# KiCad board MasterController.kicad_pcb
title: Zynq-Based Master Controller; date: 2020-08-31; rev: 0.1; company: JFH & SRM
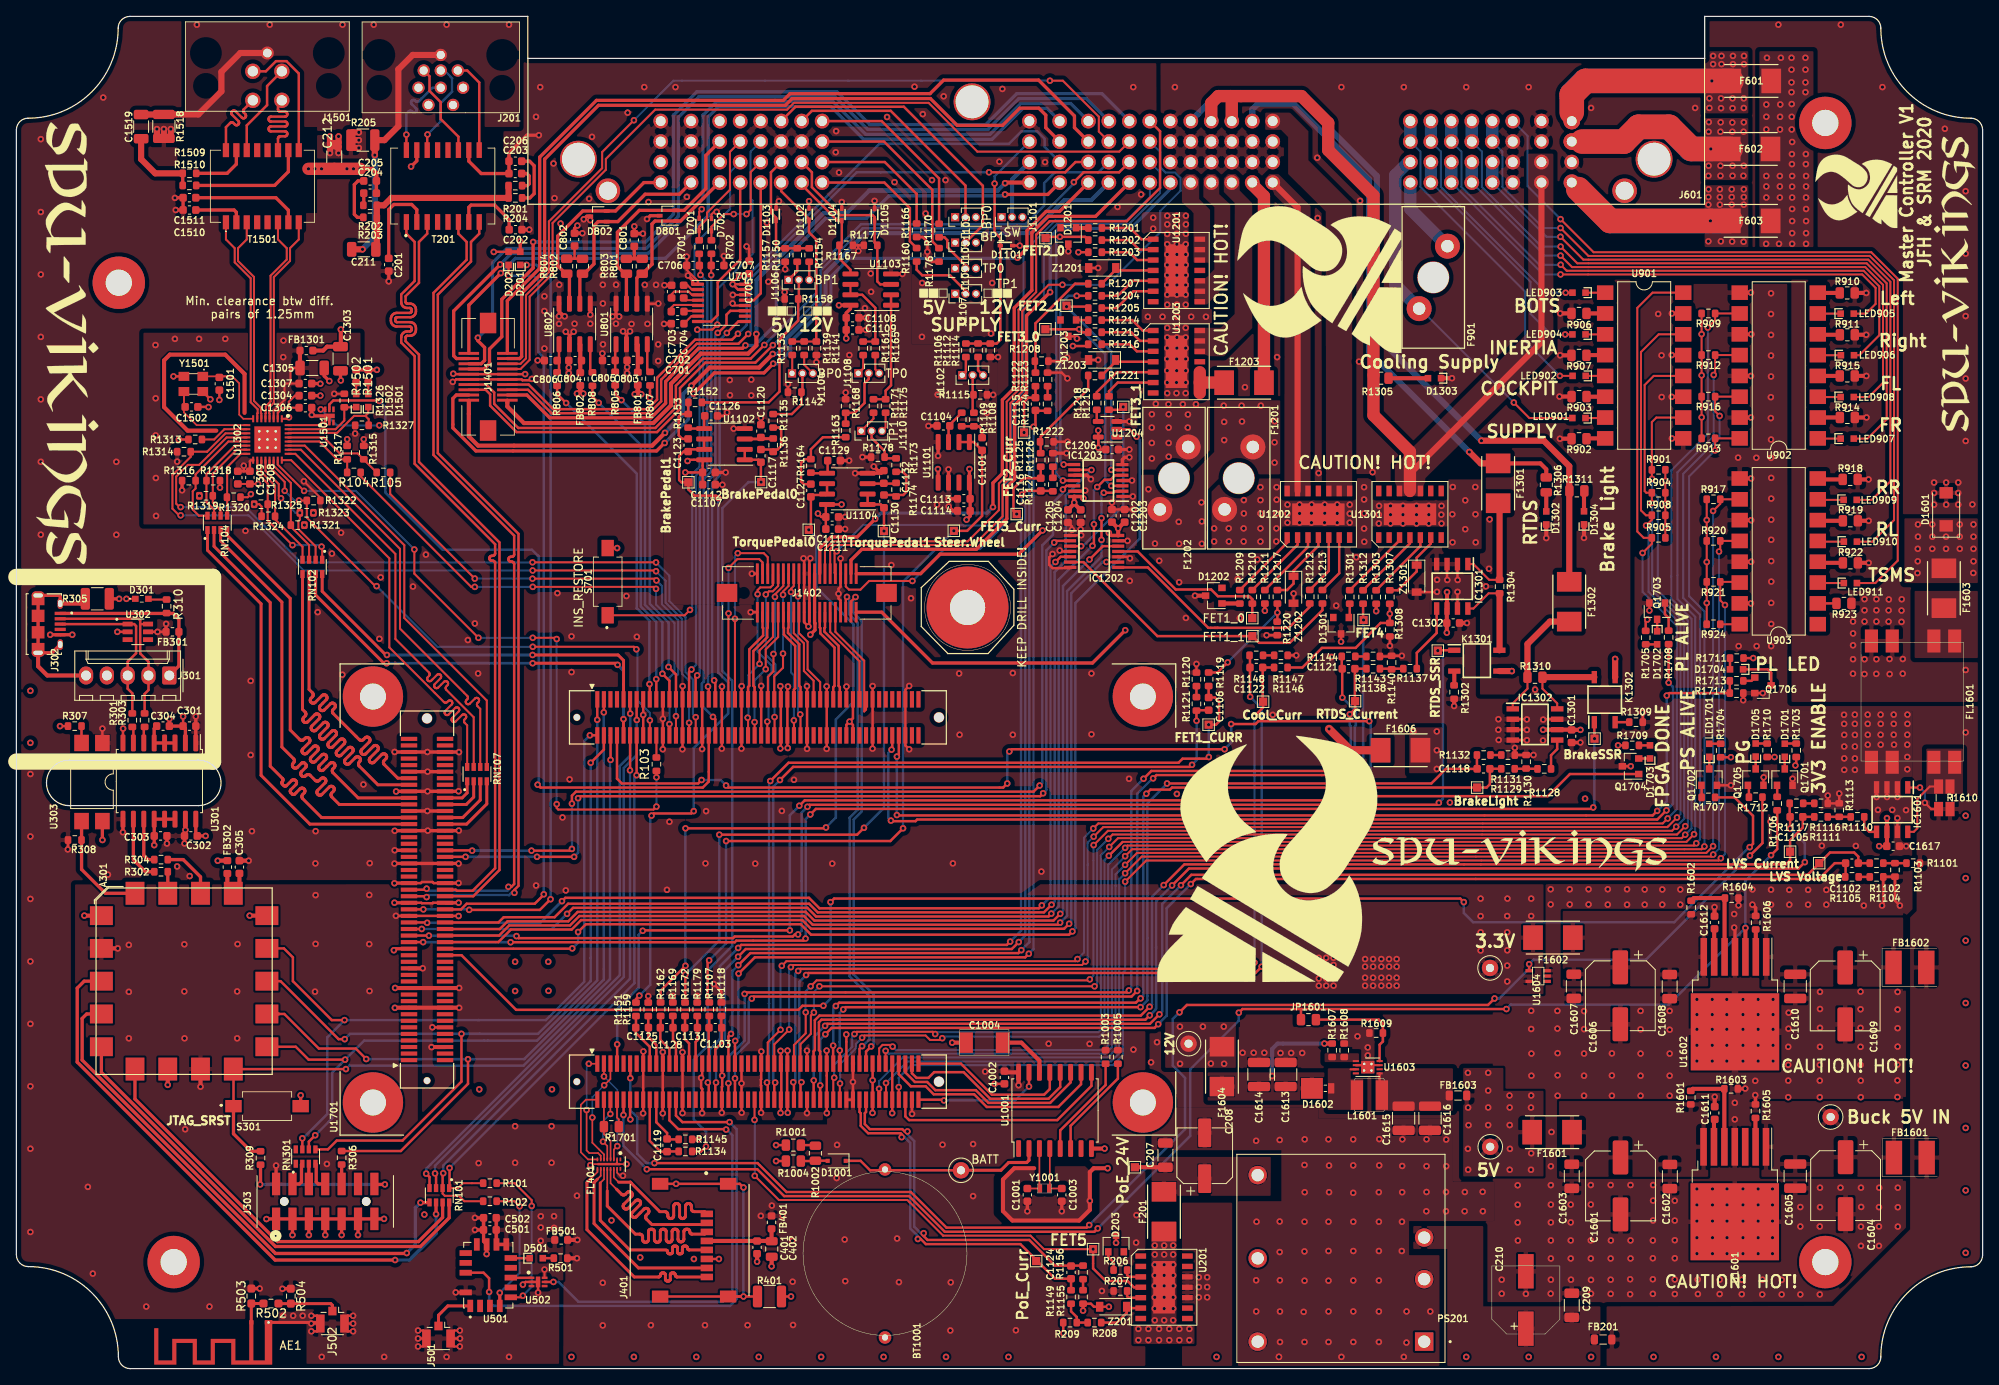
[diagram p0: board, top side]
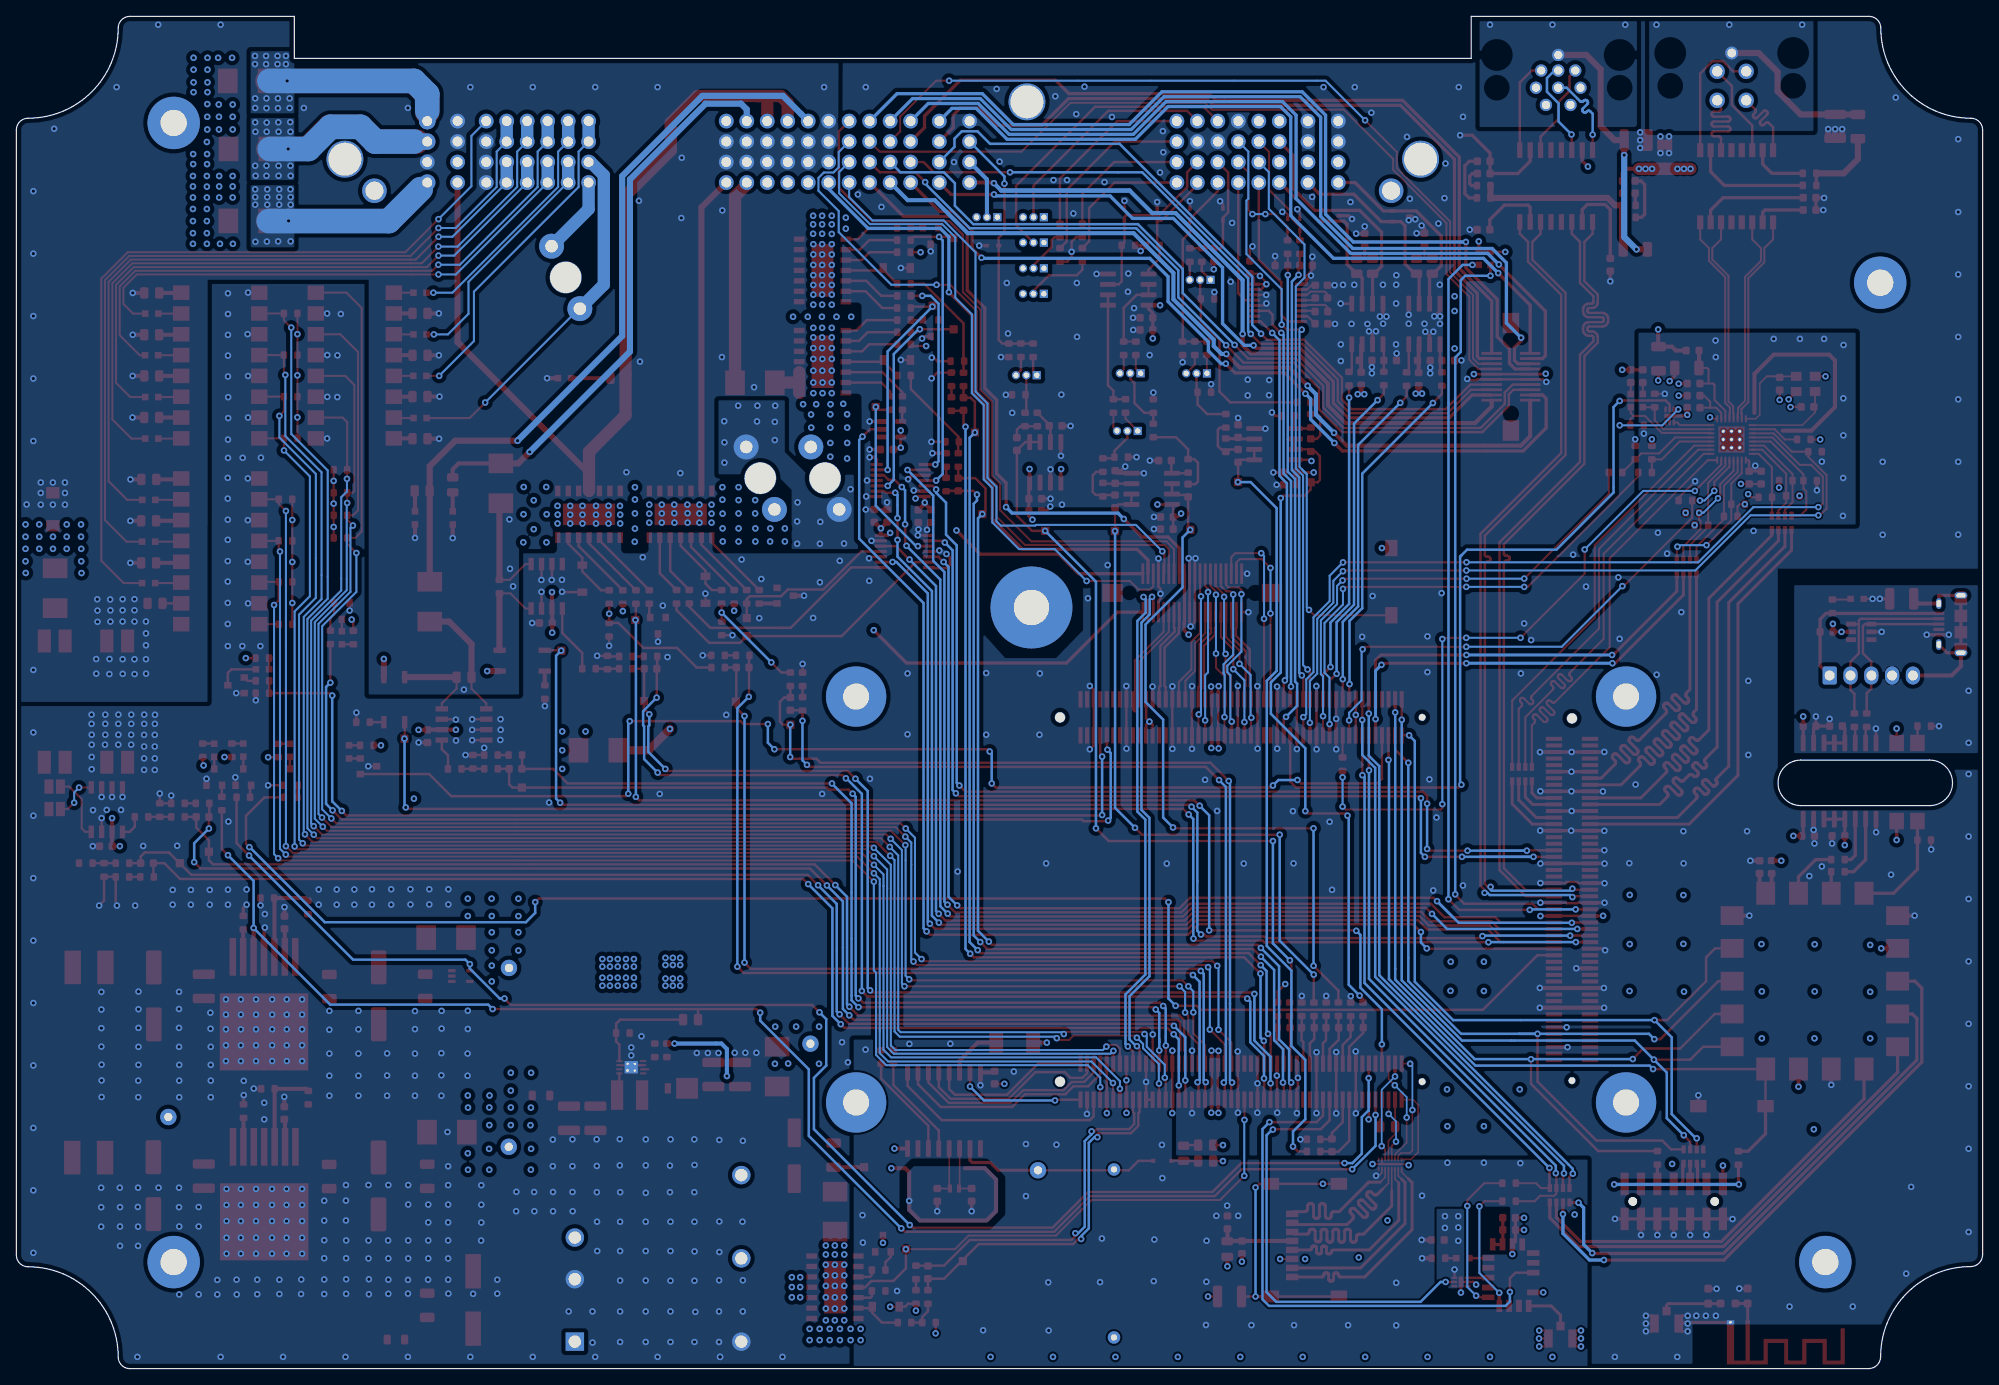
[diagram p1: board, bottom side, seen from below]

Outline 240 x 165 mm; copper layers: Top, In1.Cu (plane), In2.Cu (plane), Bottom. Coordinates in mm from the lower left corner of the outline.
Outline path: 0,151.15 0,13.9 arc(0.42,12.87) 1.45,12.45 arc(9.23,9.23) 12.45,1.45 arc(12.87,0.42) 13.9,0 226.15,0 arc(227.16,0.42) 227.57,1.43 arc(230.8,9.2) 238.57,12.43 arc(239.58,12.84) 240,13.85 240,151.15 arc(239.58,152.16) 238.57,152.57 arc(230.8,155.8) 227.57,163.57 arc(227.16,164.58) 226.15,165 206.07,165 206.07,159.88 62.42,159.88 62.42,165 13.85,165 arc(12.84,164.58) 12.42,163.57 arc(9.2,155.8) 1.43,152.57 arc(0.42,152.16) 0,151.15 ; 6.45,68.7 arc(3.68,71.47) 6.45,74.25 22.2,74.25 arc(24.98,71.47) 22.2,68.7 6.45,68.7

## Placement (name value [footprint] x y rotation side)
A301  -  [JTAG-SMT3-NC]  20.48 47.28 270 top
AE1  Antenna_Shield  [Texas_SWRA117D_2.4GHz_Right]  28.67 5.64 180 top
BT1001  Battery_Cell  [Battery_VL2020_20x3.2mm]  106.03 14.05 270 top
C201  100nF  [C_0603_1608Metric]  45.45 134.7 90 top
C202  100nF  [C_0603_1608Metric]  60.92 138.97 180 top
C203  22nF  [C_0603_1608Metric]  60.9 145.82 0 top
C204  22nF  [C_0603_1608Metric]  43.17 143.43 180 top
C205  22nF  [C_0603_1608Metric]  43.17 144.93 180 top
C206  22nF  [C_0603_1608Metric]  60.9 147.32 0 top
C207  1uF  [C_1206_3216Metric]  140.25 26.05 90 top
C208  47uF  [CP_Elec_Wurth_WCAP-PSLP_6.6x6.6mm]  145.05 25.97 90 top
C209  4.7uF  [C_1206_3216Metric]  189.85 7.72 90 top
C210  100uF  [CP_Elec_Wurth_WCAP-ASLL_8.3x8.3mm]  184.25 8.38 90 top
C211  1nF  [C_1206_3216Metric]  42.4 136.57 180 top
C212  1uF  [C_1206_3216Metric]  38.8 147.88 90 top
C301  100nF  [C_0603_1608Metric]  21.12 78.4 180 top
C302  100nF  [C_0603_1608Metric]  21.3 65 0 top
C303  100nF  [C_0603_1608Metric]  17.6 65 180 top
C304  100nF  [C_0603_1608Metric]  17.9 78.4 0 top
C305  100 nF  [C_0603_1608Metric]  27.23 61.2 90 top
C401  100nF  [C_0603_1608Metric]  90.41 14.8 270 top
C402  22uF  [C_0805_2012Metric]  92.2 14.59 270 top
C501  100nF  [C_0603_1608Metric]  57.79 16.93 180 top
C502  10uF  [C_0603_1608Metric]  57.8 18.4 0 top
C701  100nF  [C_0603_1608Metric]  80.71 127.5 180 top
C702  100nF  [C_0603_1608Metric]  80.71 128.99 180 top
C703  100nF  [C_0603_1608Metric]  79.97 131.41 90 top
C704  100nF  [C_0603_1608Metric]  81.45 131.41 90 top
C705  100nF  [C_0603_1608Metric]  89.44 134.38 270 top
C706  2.2uF  [C_0603_1608Metric]  82.59 134.6 180 top
C707  2.2uF  [C_0603_1608Metric]  85.58 134.6 0 top
C801  C_term  [C_0603_1608Metric]  75.42 137.72 90 top
C802  C_term  [C_0603_1608Metric]  68.13 137.76 90 top
C803  100nF  [C_0603_1608Metric]  75.31 123.02 180 top
C804  100nF  [C_0603_1608Metric]  68.2 123 180 top
C805  100pF  [C_0603_1608Metric]  72.31 123.02 0 top
C806  100pF  [C_0603_1608Metric]  65.22 123 0 top
C1001  12pF  [C_0603_1608Metric]  123.4 21.2 270 top
C1002  100nF  [C_0603_1608Metric]  120.6 35.53 90 top
C1003  68pF  [C_0603_1608Metric]  127.6 21.2 90 top
C1004  68uF  [C_2312_6032-28_Metric]  118.15 39.78 180 top
C1101  56nF  [C_0603_1608Metric]  117.88 112.82 90 top
C1102  270nF  [C_0603_1608Metric]  224.05 61.67 180 top
C1103  15nF  [C_0603_1608Metric]  85.31 41.6 0 top
C1104  33nF  [C_0603_1608Metric]  113.16 115.03 180 top
C1105  330nF  [C_0603_1608Metric]  217.28 67.33 180 top
C1106  150nF  [C_0603_1608Metric]  145.53 81.11 270 top
C1107  100nF  [C_0603_1608Metric]  84.53 107.86 0 top
C1108  100nF  [C_0603_1608Metric]  102.06 128.23 0 top
C1109  10uF  [C_0603_1608Metric]  102.06 126.75 0 top
C1110  100nF  [C_0603_1608Metric]  99.58 103.92 0 top
C1111  10uF  [C_0603_1608Metric]  99.58 102.44 0 top
C1112  10uF  [C_0603_1608Metric]  84.53 109.35 180 top
C1113  10uF  [C_0603_1608Metric]  115.64 106.14 180 top
C1114  100nF  [C_0603_1608Metric]  115.65 104.67 180 top
C1115  330nF  [C_0603_1608Metric]  124.39 117.7 270 top
C1116  330nF  [C_0603_1608Metric]  125.03 107.88 270 top
C1117  56nF  [C_0603_1608Metric]  90.88 111.38 90 top
C1118  330nF  [C_0603_1608Metric]  179.08 73.19 180 top
C1119  15nF  [C_0603_1608Metric]  79.42 27.25 90 top
C1120  33nF  [C_0603_1608Metric]  90.88 114.4 90 top
C1121  330nF  [C_0603_1608Metric]  162.6 85.4 180 top
C1122  470nF  [C_0603_1608Metric]  151.35 85.55 180 top
C1123  56nF  [C_0603_1608Metric]  82 112.67 90 top
C1124  82nF  [C_0603_1608Metric]  128.74 11.75 90 top
C1125  15nF  [C_0603_1608Metric]  76.38 41.61 0 top
C1126  33nF  [C_0603_1608Metric]  84.8 116.25 0 top
C1127  56nF  [C_0603_1608Metric]  96.97 107.15 90 top
C1128  15nF  [C_0603_1608Metric]  79.38 41.6 0 top
C1129  33nF  [C_0603_1608Metric]  99.8 110.8 0 top
C1130  56nF  [C_0603_1608Metric]  105.9 105.83 90 top
C1131  15nF  [C_0603_1608Metric]  82.36 41.6 0 top
C1132  33nF  [C_0603_1608Metric]  105.88 108.8 90 top
C1202  100nF  [C_0603_1608Metric]  133.72 104.06 270 top
C1203  1uF  [C_0603_1608Metric]  135.28 104.06 270 top
C1204  100nF  [C_0603_1608Metric]  129.91 104.02 90 top
C1205  1uF  [C_0603_1608Metric]  128.36 104.02 90 top
C1206  100nF  [C_0603_1608Metric]  133.75 112.15 180 top
C1301  100nF  [C_0603_1608Metric]  189.83 77.17 270 top
C1302  100nF  [C_0603_1608Metric]  175.38 90.98 0 top
C1303  22uF  [C_1206_3216Metric]  39.56 123.23 90 top
C1304  2.2uF  [C_0603_1608Metric]  35.27 118.72 180 top
C1305  22uF  [C_1206_3216Metric]  36.1 122.1 180 top
C1306  100nF  [C_0603_1608Metric]  35.27 117.25 180 top
C1307  100nF  [C_0603_1608Metric]  35.27 120.2 0 top
C1308  100nF  [C_0603_1608Metric]  28.5 108.72 270 top
C1309  22uF  [C_0603_1608Metric]  27.02 108.72 270 top
C1501  27pF  [C_0603_1608Metric]  24.77 120.17 270 top
C1502  27pF  [C_0603_1608Metric]  21.38 117.35 0 top
C1510  100nF  [C_0603_1608Metric]  21.12 141.38 180 top
C1511  100nF  [C_0603_1608Metric]  21.12 142.88 180 top
C1519  1nF  [C_1206_3216Metric]  15.23 151.55 90 top
C1601  220uF  [CP_Elec_8x11.9]  195.8 22.29 270 top
C1602  22uF  [C_1206_3216Metric]  201.82 23.44 270 top
C1603  22uF  [C_1206_3216Metric]  189.85 23.47 270 top
C1604  39uF  [CP_Elec_8x11.9]  223.28 22.32 270 top
C1605  680nF  [C_1210_3225Metric]  217.12 23.49 270 top
C1606  220uF  [CP_Elec_8x11.9]  195.78 45.49 270 top
C1607  22uF  [C_1206_3216Metric]  190.1 46.65 270 top
C1608  22uF  [C_1206_3216Metric]  201.8 46.62 270 top
C1609  39uF  [CP_Elec_8x11.9]  223.22 45.47 270 top
C1610  680nF  [C_1210_3225Metric]  217.12 46.64 270 top
C1611  470nF  [C_0603_1608Metric]  207.3 31.19 90 top
C1612  470nF  [C_0603_1608Metric]  207.28 54.44 90 top
C1613  10uF  [C_1210_3225Metric]  154.93 35.89 90 top
C1614  10uF  [C_1210_3225Metric]  151.68 35.89 90 top
C1615  10uF  [C_1210_3225Metric]  169.32 30.55 270 top
C1616  10uF  [C_1210_3225Metric]  172.55 30.55 270 top
C1617  100nF  [C_0603_1608Metric]  229.07 63.75 180 top
D201  150060YS75000  [Wurth_150060YS75000]  61.5 135.47 90 top
D202  150060VS75000  [Wurth_150060VS75000]  60.08 135.47 90 top
D203  BAS21T-7-F  [SOT-23]  134.22 15.25 90 top
D301  -  [150060SS55040]  15.31 93.93 0 top
D501  150060SS75000  [Wurth_150060SS75000]  63.45 13.47 0 top
D701  3.3 V Working  [SODFL1608X70N]  83.34 139.61 90 top
D702  3.3 V Working  [SODFL1608X70N]  84.84 139.59 90 top
D801  VCAN16A2  [SOT-323_SC-70]  79.52 140.68 180 top
D802  VCAN16A2  [SOT-323_SC-70]  71.05 140.61 180 top
D1001  RB500VM-40TE-17  [D_SOD-323F]  100.13 25.35 180 top
D1101  17 V Clamp  [SODFL1608X70N]  120.85 137.03 0 top
D1102  17 V Clamp  [SODFL1608X70N]  96.75 140.85 90 top
D1103  17 V Clamp  [SODFL1608X70N]  92.72 140.85 90 top
D1104  17 V Clamp  [SODFL1608X70N]  100.75 140.82 90 top
D1105  17 V Clamp  [SODFL1608X70N]  104.75 140.8 90 top
D1201  BAS21T-7-F  [SOT-23]  128.4 138.21 270 top
D1202  BAS21T-7-F  [SOT-23]  146.16 94.31 180 top
D1203  BAS21T-7-F  [SOT-23]  128.4 126.96 270 top
D1301  BAS21T-7-F  [SOT-23]  161.69 90.65 270 top
D1302  150060SS75000  [Wurth_150060SS75000]  186.74 103.8 90 top
D1303  150060SS75000  [Wurth_150060SS75000]  173.1 120.85 180 top
D1304  150060SS75000  [Wurth_150060SS75000]  191.34 103.81 90 top
D1501  150060YS75000  [Wurth_150060YS75000]  42.95 118.12 90 top
D1502  150060VS75000  [Wurth_150060VS75000]  41.47 118.12 90 top
D1601  SMA4F31AY  [D_SMA_Small-Pads]  235.55 104.85 90 top
D1602  MBRM120  [D_Powermite_AK]  158.83 34.2 0 top
D1701  150060SS75000  [Wurth_150060SS75000]  215.85 75.45 90 top
D1702  150060VS75000  [Wurth_150060VS75000]  200.28 89.17 270 top
D1703  150060BS75000  [Wurth_150060BS75000]  199.4 75.25 90 top
D1704  150060SS75000  [Wurth_150060SS75000]  209.97 85.33 180 top
D1705  150060VS75000  [Wurth_150060VS75000]  212.3 75.47 90 top
F201  1A  [Littlefuse_Nano_Clip]  140.07 19.15 270 top
F601  10A  [Littlefuse_Nano_Clip]  211.77 157.12 180 top
F602  10A  [Littlefuse_Nano_Clip]  211.68 148.82 180 top
F603  10A  [Littlefuse_Nano_Clip]  211.7 140.05 180 top
F901  2A  [LittelfuseMiniBlade01530008Z]  172.95 133.15 270 top
F1201  15A  [LittelfuseMiniBlade01530008Z]  149.2 108.65 90 top
F1202  15A  [LittelfuseMiniBlade01530008Z]  141.3 108.65 270 top
F1203  2A  [Littlefuse_Nano_Clip]  149.85 120.3 0 top
F1301  375 mA  [Littlefuse_Nano_Clip]  180.87 108.03 270 top
F1302  375 mA  [Littlefuse_Nano_Clip]  189.54 93.58 270 top
F1601  5A  [Littlefuse_Nano_Clip]  187.45 28.85 180 top
F1602  5A  [Littlefuse_Nano_Clip]  187.55 52.59 180 top
F1603  7A  [Littlefuse_Nano_Clip]  235.27 95.22 270 top
F1604  375 mA  [Littlefuse_Nano_Clip]  147.15 36.85 90 top
F1606  1A  [Littlefuse_Nano_Clip]  168.95 75.45 180 top
FB201  100R @ 100 MHz  [L_0805_2012Metric]  193.68 3.55 0 top
FB301  600R @ 100 MHz  [L_0603_1608Metric]  19.05 89.9 180 top
FB302  220R @ 100 MHz  [L_0603_1608Metric]  25.75 61.2 90 top
FB401  220R @ 100 MHz  [L_0603_1608Metric]  92.17 17.85 270 top
FB501  220R @ 100 MHz  [L_0603_1608Metric]  66.5 15.7 180 top
FB801  220R @ 100 MHz  [L_0603_1608Metric]  75.85 120.79 90 top
FB802  220R @ 100 MHz  [L_0603_1608Metric]  68.83 120.74 90 top
FB1301  220R @ 100 MHz  [L_0603_1608Metric]  35.4 124.22 180 top
FB1601  56R @ 100 MHz  [Wurth_78279223560]  231.18 25.75 0 top
FB1602  56R @ 100 MHz  [Wurth_78279223560]  231.12 48.95 0 top
FB1603  100R @ 100 MHz  [L_0805_2012Metric]  175.97 33.32 180 top
FL401  EMIF06-MSD02N16  [uQFN-16L]  72.33 24.95 270 top
FL1601  Wuerth_744290560  [WE-UCF_1712_16.6x12.5mm]  231.51 81.39 270 top
G***  LOGO  [VikingsText_Silk_37x7mm]  236.48 132.18 90 top
G***#2  LOGO  [VikingLogo_Silk_9x10mm]  224.57 143.65 90 top
G***#3  LOGO  [VikingLogo_Silk_18x20mm]  159.05 132.88 90 top
G***#4  LOGO  [VikingLogo_Silk_27x30mm]  152.68 62.2 0 top
G***#5  LOGO  [VikingsText_Silk_37x7mm]  183.32 63.3 0 top
G***#6  LOGO  [VikingsText_Silk_56x10mm]  6.38 125.35 270 top
IC1202  -  [SN74LV4T125PWR]  131.55 99.71 0 top
IC1203  -  [SN74LV4T125PWR]  132.06 108.36 180 top
IC1301  -  [TSC2012IDT]  175.26 95.46 270 top
IC1302  -  [TSC2012IDT]  185.36 78.6 0 top
IC1601  -  [TSC2012IDT]  228.96 68.21 270 top
J201  Phoenix_1437009  [Phoenix_1437009_M12_8pin_A_Female_Angled]  53.3 154.19 180 top
J301  WR-WTB_1x05  [Wurth_WR-WTB_61900519521_1x05_P2.54mm_Vertical]  18.66 84.58 180 top
J302  10118194-0001LF  [Amphenol_10118194-0001LF]  2.65 90.85 270 top
J303  87832-1420  [MOLEX_87832-1420]  37.7 20.4 90 top
J401  Molex 47219-2001  [Molex-47219-2001-0]  82.17 15.68 90 top
J501  Conn_Coaxial  [U.FL_Hirose_U.FL-R-SMT-1_Vertical]  51.53 4.15 270 top
J502  Conn_Coaxial  [U.FL_Hirose_U.FL-R-SMT-1_Vertical]  38.58 5.97 270 top
J601  MolexCMC_643330100  [Molex_CMC_643330100_32+48+32pin]  189.85 144.72 180 top
J1101  Conn_01x03  [PinHeader_1x03_P1.27mm_Vertical]  120.26 140.5 90 top
J1102  Conn_01x03  [PinHeader_1x03_P1.27mm_Vertical]  115.46 121.22 90 top
J1103  Conn_01x03  [PinHeader_1x03_P1.27mm_Vertical]  114.58 140.5 90 top
J1104  Conn_01x03  [PinHeader_1x03_P1.27mm_Vertical]  94.67 121.44 90 top
J1105  Conn_01x03  [PinHeader_1x03_P1.27mm_Vertical]  114.58 137.4 90 top
J1106  Conn_01x03  [PinHeader_1x03_P1.27mm_Vertical]  94.24 132.85 90 top
J1107  Conn_01x03  [PinHeader_1x03_P1.27mm_Vertical]  114.59 131.15 90 top
J1108  Conn_01x03  [PinHeader_1x03_P1.27mm_Vertical]  102.77 121.45 90 top
J1109  Conn_01x03  [PinHeader_1x03_P1.27mm_Vertical]  114.58 134.26 90 top
J1110  Conn_01x03  [PinHeader_1x03_P1.27mm_Vertical]  103.12 114.42 90 top
J1401  Molex_52885-0274  [Molex_528850274]  57.58 121.03 270 top
J1402  Molex_52885-0474  [Molex_528850474]  96.47 94.65 0 top
J1501  Phoenix_1432457  [Phoenix_1432457_M12_4pin_D_Female_Angled]  32.4 154.76 180 top
JP1601  Jumper  [R_0805_2012Metric]  157.71 42.58 0 top
K1301  CPC1017NTR  [CPC1017N]  178.26 86.39 0 top
K1302  CPC1017NTR  [CPC1017N]  193.88 81.62 90 top
L1601  4.7uH  [Wurth_LQS_4018]  165.15 33.38 180 top
LED901  150060BS75000  [Wurth_150060BS75000]  190.72 115.99 180 top
LED902  150060BS75000  [Wurth_150060BS75000]  190.75 121.13 180 top
LED903  150060BS75000  [Wurth_150060BS75000]  190.74 131.28 180 top
LED904  150060BS75000  [Wurth_150060BS75000]  190.73 126.19 180 top
LED905  150060BS75000  [Wurth_150060BS75000]  223.47 128.73 0 top
LED906  150060BS75000  [Wurth_150060BS75000]  223.5 123.66 0 top
LED907  150060BS75000  [Wurth_150060BS75000]  223.47 113.48 0 top
LED908  150060BS75000  [Wurth_150060BS75000]  223.47 118.56 0 top
LED909  150060BS75000  [Wurth_150060BS75000]  223.84 106 0 top
LED910  150060BS75000  [Wurth_150060BS75000]  223.86 100.91 0 top
LED911  150060BS75000  [Wurth_150060BS75000]  223.86 95.86 0 top
LED1701  150060YS75000  [Wurth_150060YS75000]  206.63 75.44 90 top
PS201  PDQE15-Q24-S24-D  [CUI_PDQE15-Q24-S24-D]  161.68 13.45 180 top
Q1701  MMBT3904  [SOT-23]  215.85 72.17 90 top
Q1702  MMBT3904  [SOT-23]  206.62 72.17 90 top
Q1703  MMBT3904  [SOT-23]  200.28 92.42 270 top
Q1704  RUC002N05HZGT116  [SOT-23]  197.03 73.5 180 top
Q1705  MMBT3904  [SOT-23]  212.3 72.17 90 top
Q1706  MMBT3904  [SOT-23]  213.19 83.38 0 top
R101  0  [R_0603_1608Metric]  57.8 22.62 0 top
R102  0  [R_0603_1608Metric]  57.8 20.43 0 top
R103  33  [R_0603_1608Metric]  78.12 73.75 90 top
R104  33  [R_0603_1608Metric]  41.2 109.35 0 top
R105  33  [R_0603_1608Metric]  44.8 109.35 0 top
R201  75  [R_0603_1608Metric]  60.9 144.35 180 top
R202  75  [R_0603_1608Metric]  43.17 141.95 0 top
R203  75  [R_0603_1608Metric]  43.17 140.47 0 top
R204  75  [R_0603_1608Metric]  60.9 142.85 180 top
R205  0  [R_1210_3225Metric]  42.29 149.9 180 top
R206  33  [R_0603_1608Metric]  134.75 12.03 180 top
R207  4.7k  [R_0603_1608Metric]  134.75 9.47 180 top
R208  33k  [R_0603_1608Metric]  131.59 5.62 180 top
R209  7.15k  [R_0603_1608Metric]  128.6 5.62 180 top
R301  24  [R_0603_1608Metric]  14.15 79.12 90 top
R302  24  [R_0603_1608Metric]  17.66 60.63 180 top
R303  24  [R_0603_1608Metric]  15.65 79.12 90 top
R304  24  [R_0603_1608Metric]  17.66 62.11 180 top
R305  0  [R_1210_3225Metric]  9.88 93.93 180 top
R306  50  [R_0603_1608Metric]  39.7 25.72 90 top
R307  3.3k  [R_0603_1608Metric]  7.12 78.4 0 top
R308  3.3k  [R_0603_1608Metric]  7.12 64.5 180 top
R309  0  [R_0603_1608Metric]  29.8 25.7 270 top
R310  620  [R_0603_1608Metric]  18.34 93.02 90 top
R401  0  [R_1210_3225Metric]  91.92 8.8 180 top
R501  300  [R_0603_1608Metric]  66.42 13.47 180 top
R502  R  [R_0603_1608Metric_Pad0.98x0.95mm_HandSolder]  31.08 7.94 180 top
R503  R  [R_0603_1608Metric_Pad0.98x0.95mm_HandSolder]  28.67 8.86 90 top
R504  R  [R_0603_1608Metric_Pad0.98x0.95mm_HandSolder]  33.5 8.84 90 top
R701  127  [R_0603_1608Metric]  83.34 136.85 90 top
R702  127  [R_0603_1608Metric]  84.83 136.85 90 top
R801  60  [R_0805_2012Metric]  76.39 134.51 90 top
R802  60  [R_0805_2012Metric]  69.1 134.51 90 top
R803  60  [R_0805_2012Metric]  74.46 134.51 90 top
R804  60  [R_0805_2012Metric]  67.17 134.51 90 top
R805  330  [R_0603_1608Metric]  73.09 120.81 90 top
R806  330  [R_0603_1608Metric]  66 120.75 90 top
R807  330  [R_0603_1608Metric]  77.34 120.8 270 top
R808  330  [R_0603_1608Metric]  70.31 120.75 270 top
R901  2.7k  [R_0603_1608Metric]  200.45 109.67 180 top
R902  4.7k  [R_0805_2012Metric]  190.74 113.47 180 top
R903  4.7k  [R_0805_2012Metric]  190.74 118.61 180 top
R904  2.7k  [R_0603_1608Metric]  200.45 106.88 180 top
R905  2.7k  [R_0603_1608Metric]  200.45 101.38 180 top
R906  4.7k  [R_0805_2012Metric]  190.74 128.76 180 top
R907  4.7k  [R_0805_2012Metric]  190.73 123.65 180 top
R908  2.7k  [R_0603_1608Metric]  200.45 104.12 180 top
R909  2.7k  [R_0603_1608Metric]  206.53 128.75 0 top
R910  4.7k  [R_0805_2012Metric]  223.47 131.25 0 top
R911  4.7k  [R_0805_2012Metric]  223.49 126.15 0 top
R912  2.7k  [R_0603_1608Metric]  206.53 123.67 0 top
R913  2.7k  [R_0603_1608Metric]  206.53 113.51 0 top
R914  4.7k  [R_0805_2012Metric]  223.49 116.06 0 top
R915  4.7k  [R_0805_2012Metric]  223.48 121.13 0 top
R916  2.7k  [R_0603_1608Metric]  206.53 118.6 0 top
R917  2.7k  [R_0603_1608Metric]  207.15 106.08 0 top
R918  4.7k  [R_0805_2012Metric]  223.84 108.5 0 top
R919  4.7k  [R_0805_2012Metric]  223.86 103.45 0 top
R920  2.7k  [R_0603_1608Metric]  207.15 101 0 top
R921  2.7k  [R_0603_1608Metric]  207.15 96 0 top
R922  4.7k  [R_0805_2012Metric]  223.86 98.32 0 top
R923  4.7k  [R_0805_2012Metric]  223.07 93.38 0 top
R924  2.7k  [R_0603_1608Metric]  207.15 90.83 0 top
R1001  0  [R_0805_2012Metric]  94.84 27.27 0 top
R1002  200  [R_0805_2012Metric]  97.53 26.28 90 top
R1003  10k  [R_0603_1608Metric]  132.95 38.03 90 top
R1004  510  [R_0805_2012Metric]  94.84 25.32 0 top
R1005  10k  [R_0603_1608Metric]  134.45 38.03 270 top
R1101  29.1k  [R_0603_1608Metric]  231.52 61.67 0 top
R1102  24.3  [R_0603_1608Metric]  227.05 61.67 0 top
R1103  1k  [R_0603_1608Metric]  229.3 60.85 90 top
R1104  976  [R_0603_1608Metric]  227.05 60 0 top
R1105  24.3  [R_0603_1608Metric]  224.05 60 0 top
R1106  4.02k  [R_0603_1608Metric]  115.9 124.25 90 top
R1107  147  [R_0603_1608Metric]  84.58 43.85 90 top
R1108  8.66k  [R_0603_1608Metric]  116.88 115.81 90 top
R1109  8.66k  [R_0603_1608Metric]  115.38 115.81 270 top
R1110  4.02k  [R_0603_1608Metric]  224.72 67.33 0 top
R1111  41.2  [R_0603_1608Metric]  220.28 67.33 0 top
R1112  11k  [R_0603_1608Metric]  117.38 124.27 90 top
R1113  1k  [R_0603_1608Metric]  222.5 68.15 270 top
R1114  200k  [R_0603_1608Metric]  118.88 124.25 90 top
R1115  1k  [R_0603_1608Metric]  117.65 118.83 180 top
R1116  800  [R_0603_1608Metric]  220.28 68.97 0 top
R1117  41.2  [R_0603_1608Metric]  217.28 68.97 0 top
R1118  147  [R_0603_1608Metric]  86.05 43.85 90 top
R1119  160  [R_0603_1608Metric]  145.53 84.11 90 top
R1120  1.69k  [R_0603_1608Metric]  144.04 84.11 90 top
R1121  160  [R_0603_1608Metric]  144.04 81.11 90 top
R1122  160  [R_0603_1608Metric]  124.39 120.7 90 top
R1123  680  [R_0603_1608Metric]  125.87 120.7 90 top
R1124  160  [R_0603_1608Metric]  125.87 117.7 90 top
R1125  160  [R_0603_1608Metric]  125.03 110.88 90 top
R1126  680  [R_0603_1608Metric]  126.51 110.88 90 top
R1127  160  [R_0603_1608Metric]  126.51 107.88 90 top
R1128  4.02k  [R_0603_1608Metric]  186.5 73.18 0 top
R1129  41.2  [R_0603_1608Metric]  182.06 73.19 0 top
R1130  1k  [R_0603_1608Metric]  184.28 74.05 270 top
R1131  800  [R_0603_1608Metric]  182.07 74.87 0 top
R1132  41.2  [R_0603_1608Metric]  179.1 74.87 0 top
R1133  4.02k  [R_0603_1608Metric]  94.7 124.5 90 top
R1134  147  [R_0603_1608Metric]  81.67 26.5 0 top
R1135  8.66k  [R_0603_1608Metric]  92.38 115.65 90 top
R1136  8.66k  [R_0603_1608Metric]  92.38 112.67 270 top
R1137  4.02k  [R_0603_1608Metric]  170.11 85.41 0 top
R1138  41.2  [R_0603_1608Metric]  165.61 85.41 0 top
R1139  11k  [R_0603_1608Metric]  96.16 124.5 90 top
R1140  1k  [R_0603_1608Metric]  167.86 86.16 270 top
R1141  200k  [R_0603_1608Metric]  97.65 124.5 90 top
R1142  1k  [R_0603_1608Metric]  95 119.15 0 top
R1143  800  [R_0603_1608Metric]  165.6 86.9 0 top
R1144  41.2  [R_0603_1608Metric]  162.6 86.9 0 top
R1145  147  [R_0603_1608Metric]  81.67 27.97 0 top
R1146  137  [R_0603_1608Metric]  154.34 85.55 0 top